# Altium PCB PDB_Mother_v1.1_PCB.PcbDoc (part 1 of 3)
Units mil, origin at the board's own origin, x right, y up, seen from the top; angles counter-clockwise.
Board outline 9606.3 x 3228.35 mil, 4 copper layers (Top Layer, GND, POWER, Bottom Layer), stack 23.756 mil thick; 314 components, 233 nets, 1042 pads, 279 vias.
Unrouted connection lines stored in the file: 171.
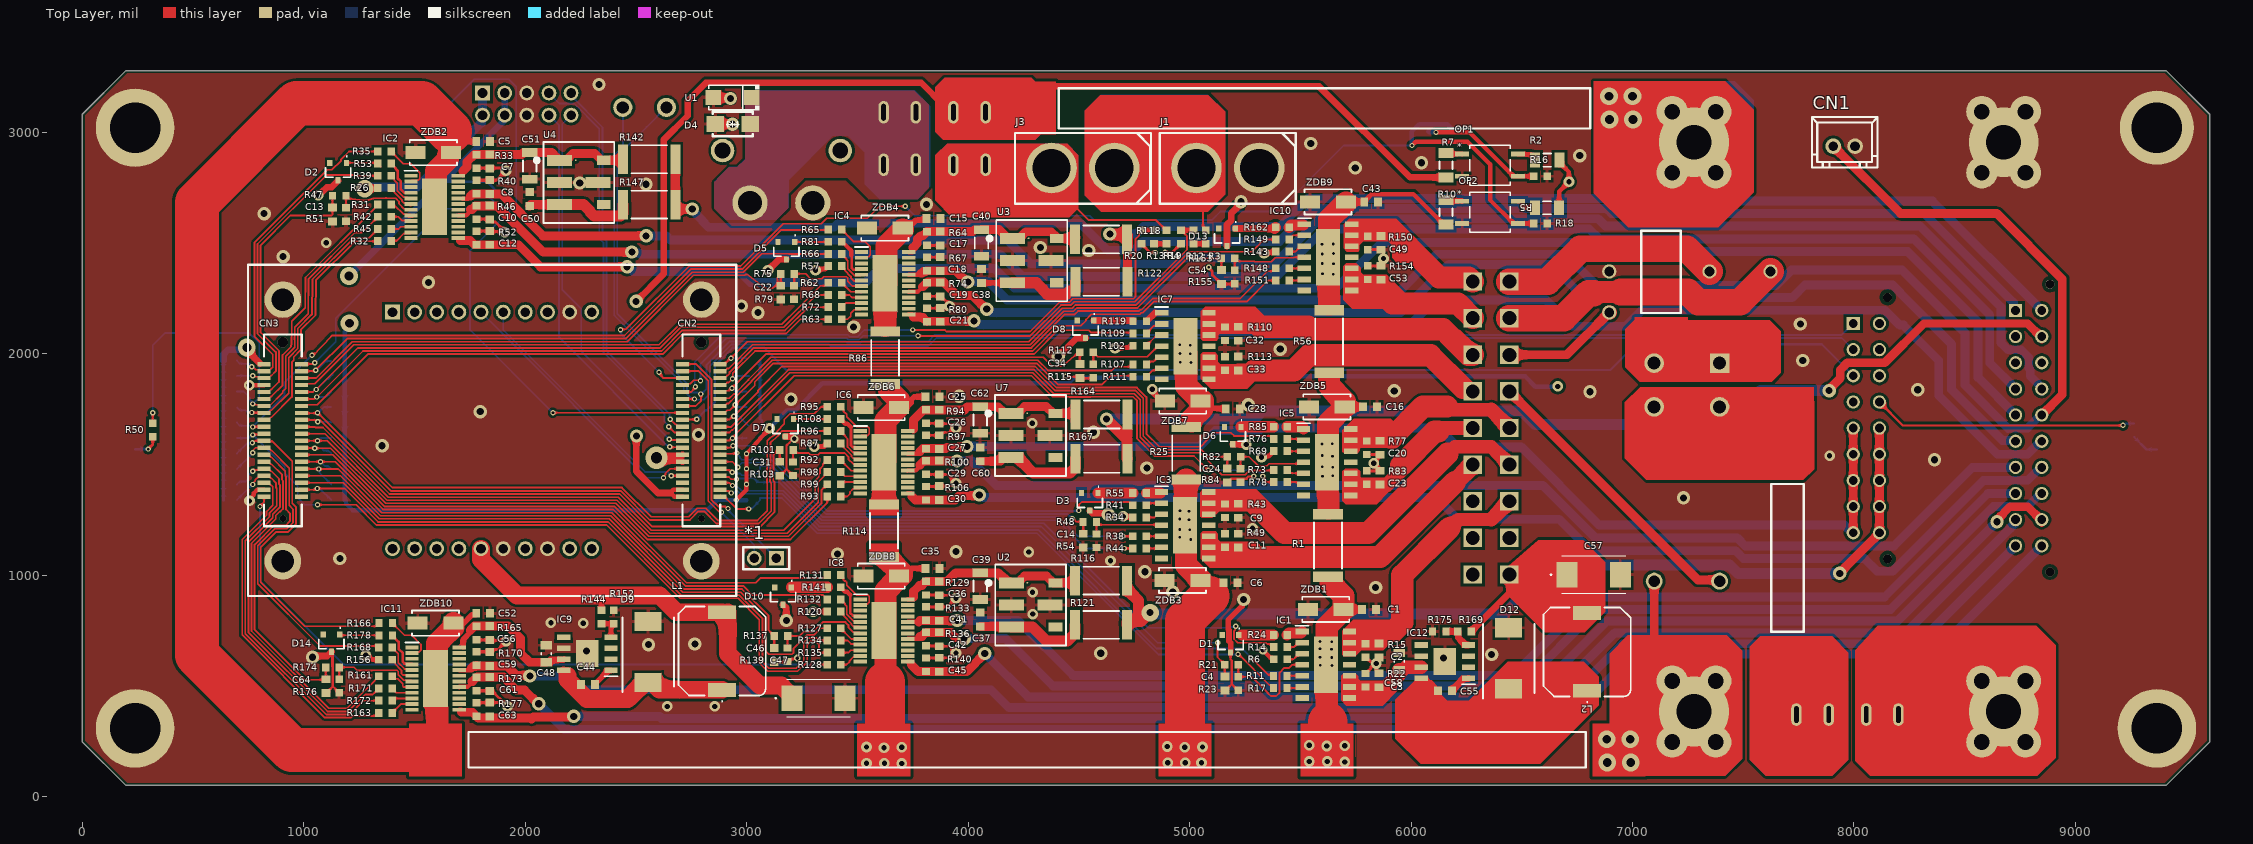
[diagram p0: Top Layer view]
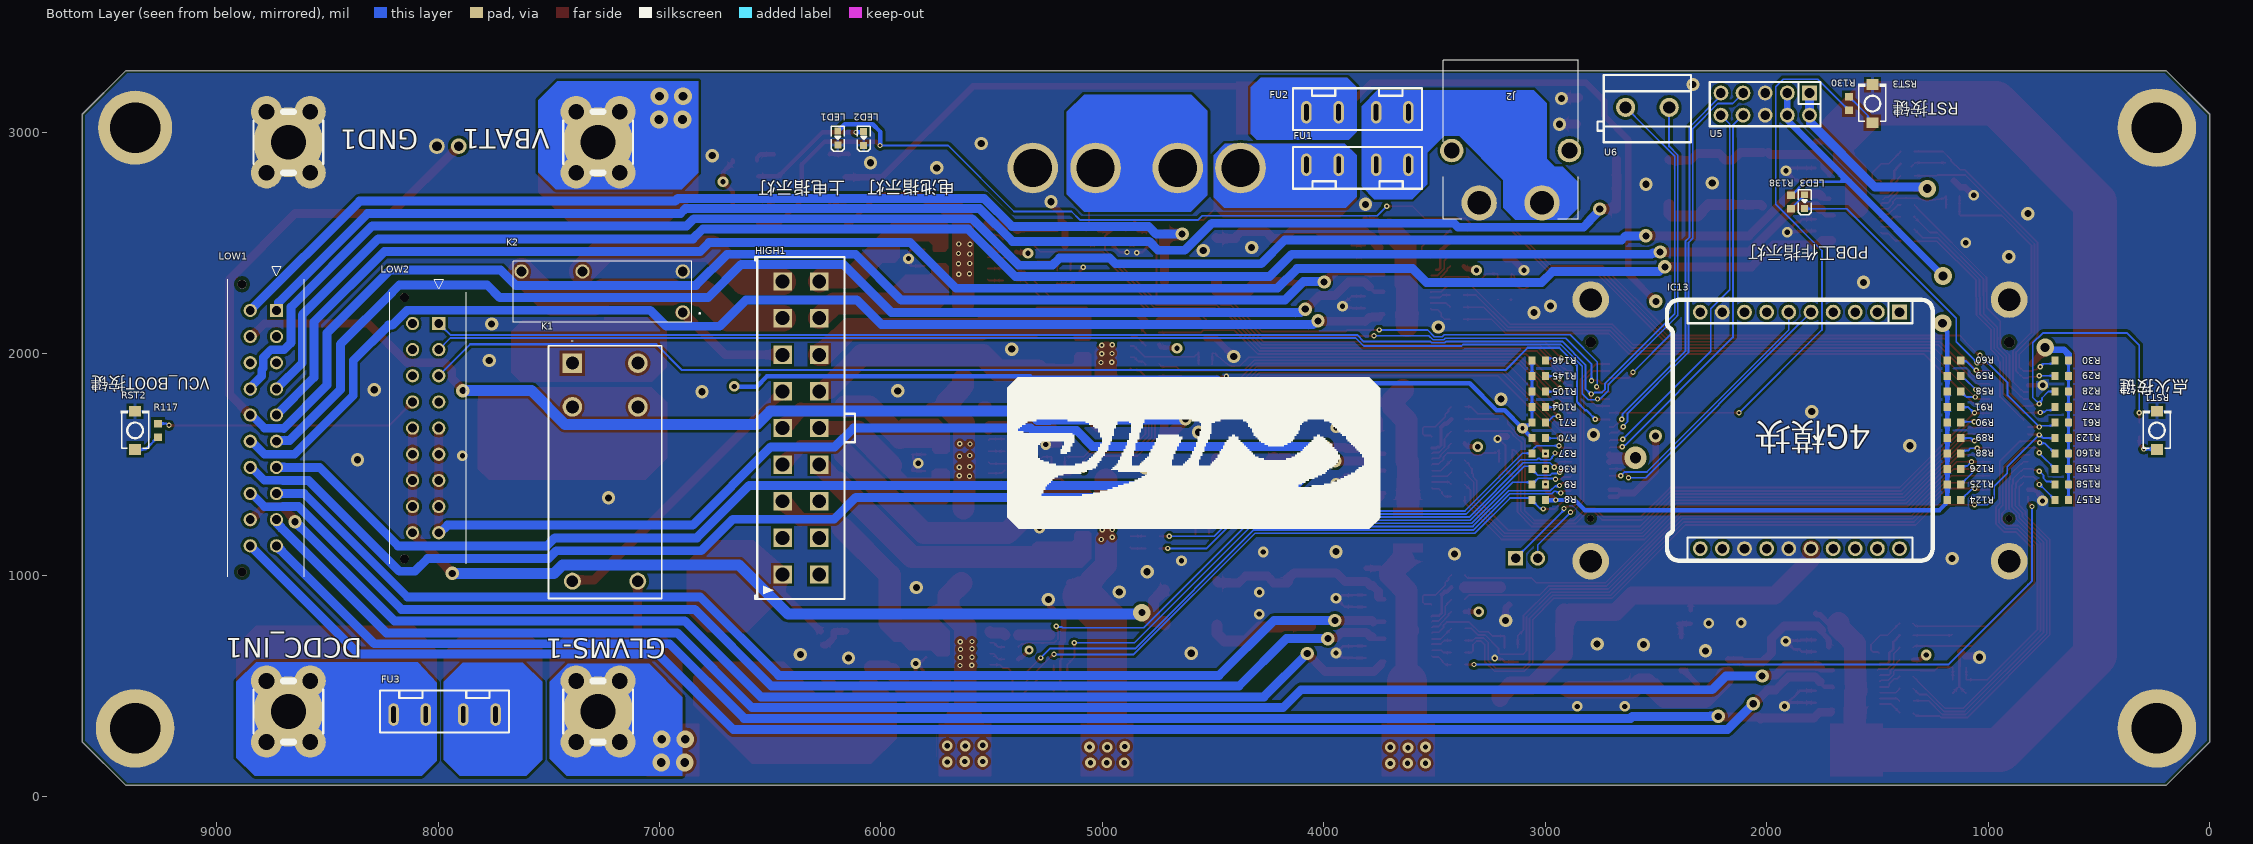
[diagram p1: Bottom Layer view, seen from below]
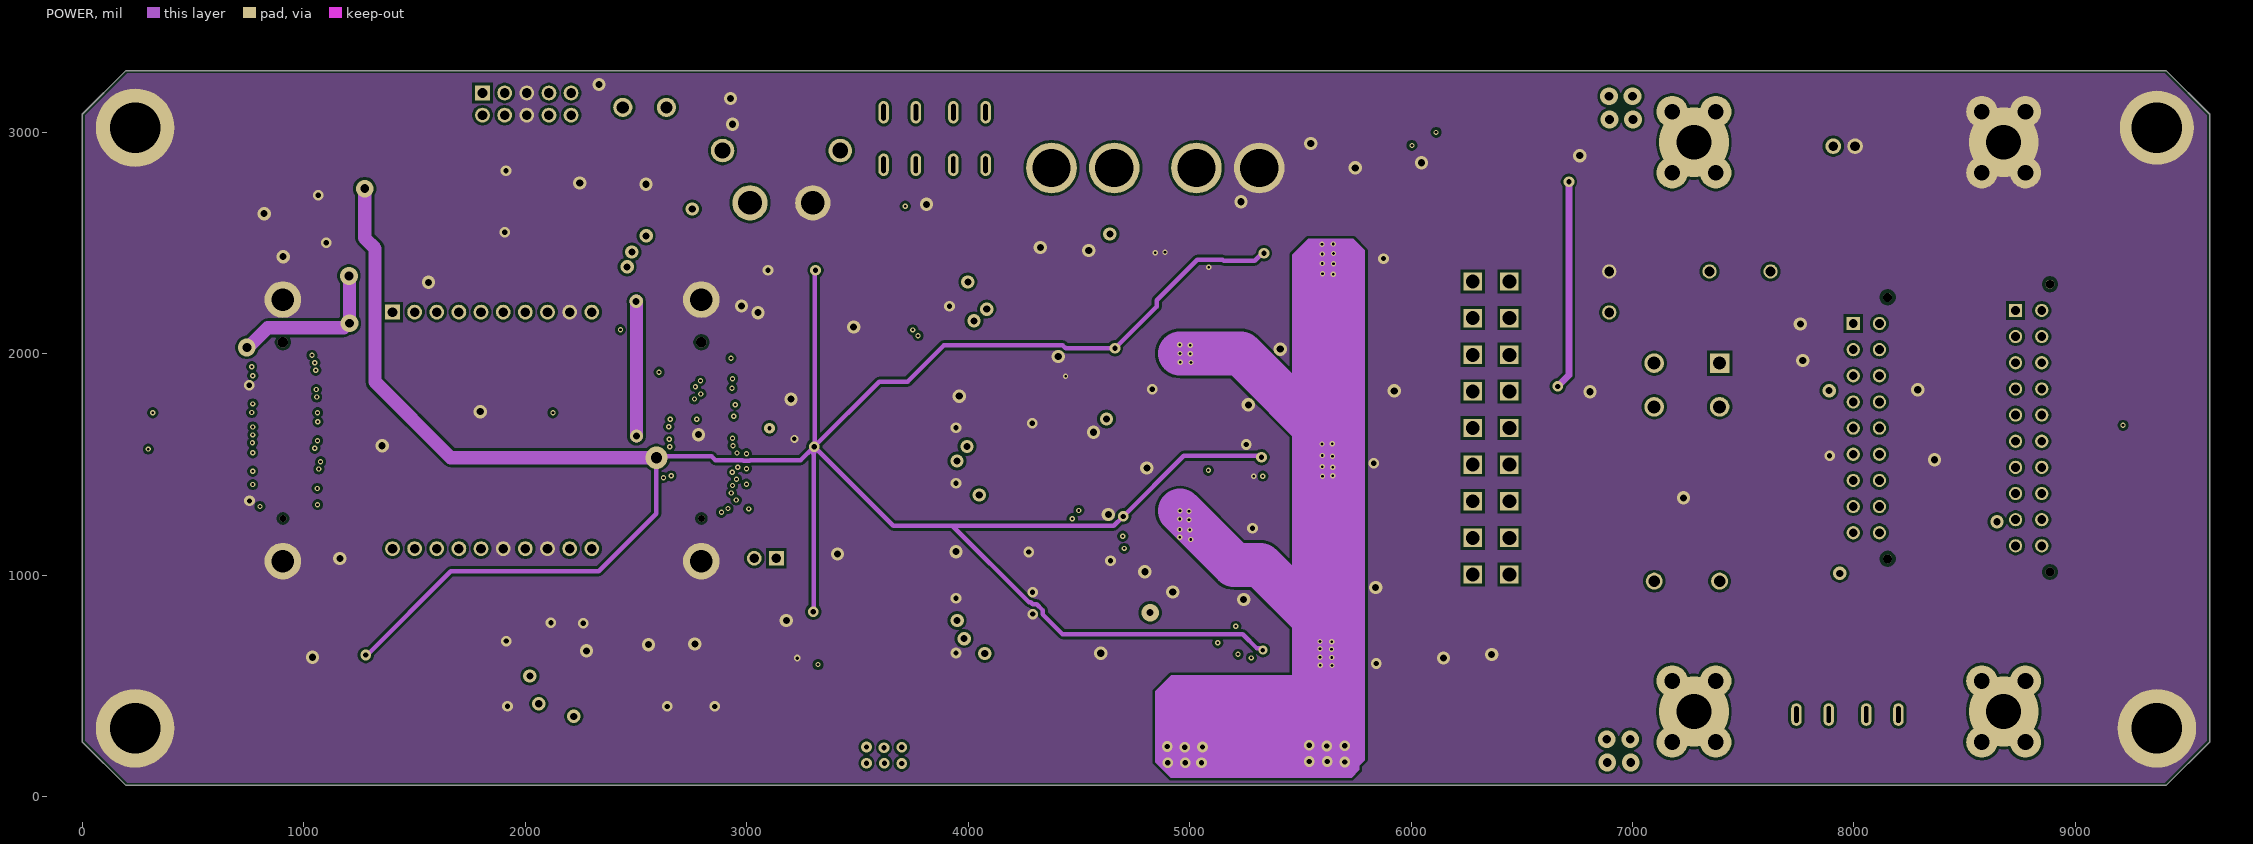
[diagram p2: POWER]
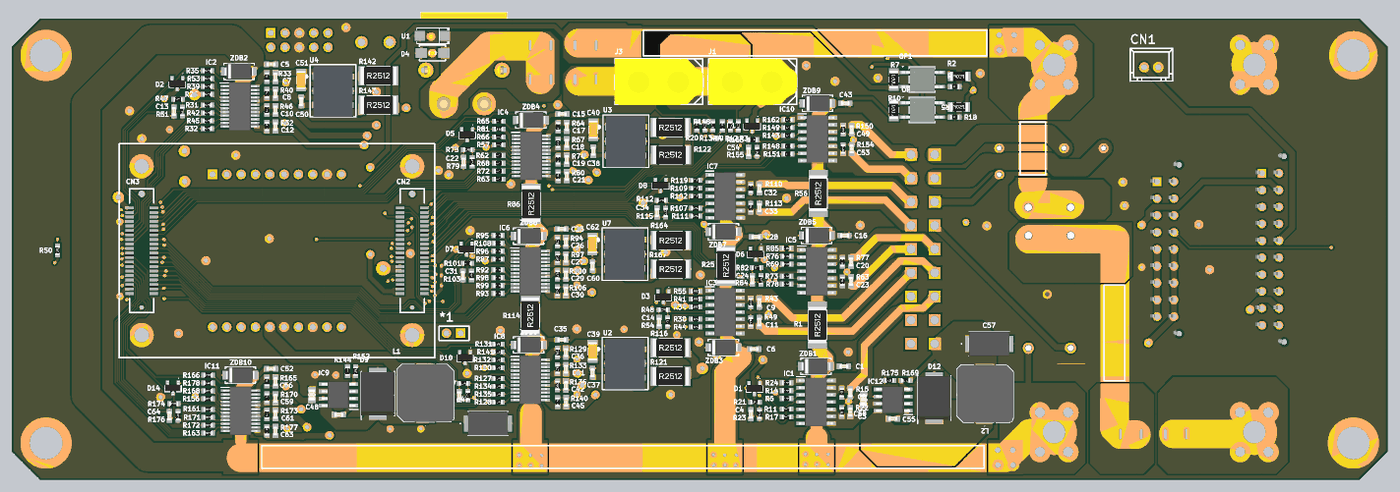
[diagram p5: 3D render of the assembled board from above, using the file's embedded part models]
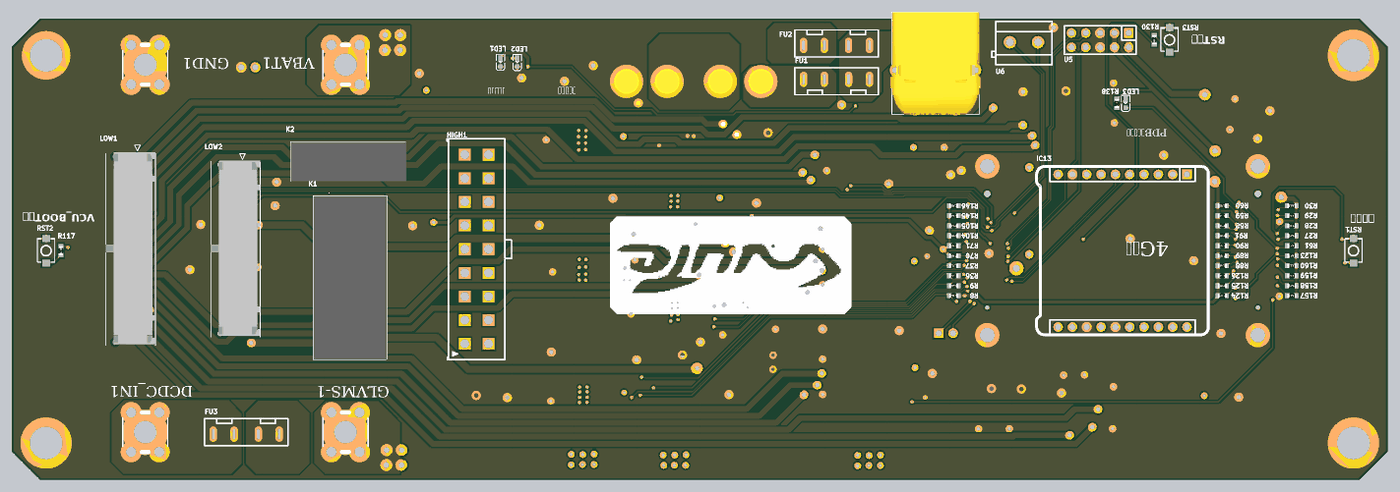
[diagram p6: 3D render of the assembled board from below, using the file's embedded part models]

## Layer stack, top to bottom
Top Solder: solder mask 0.4, Solder Resist, Dk 3.5
Top Layer: signal copper 1.4
Dielectric 2: prepreg 2.8, PP-006, Dk 4.1
GND: signal copper 1.378
Dielectric 1: dielectric 12.6, FR-4, Dk 4.8
POWER: signal copper 1.378
Dielectric 3: prepreg 2.8, PP-006, Dk 4.1
Bottom Layer: signal copper 1.4
Bottom Solder: solder mask 0.4, Solder Resist, Dk 3.5

## Board outline
0,246.85 0,3081.5 196.85,3278.35 9409.45,3278.35 9606.3,3081.5 9606.3,246.85 9409.45,50 196.85,50

## Design rules (kind name [scope] priority, off if disabled: settings)
AcuteAngle [All] p1: minimum=3.00000000000000E+0001 checktracksonly=TRUE
AssemblyTestPointUsage [All] p1 off:
AssemblyTestpoint [All] p1 off: testpointundercomponent=TRUE minsize=40 maxsize=100 preferedsize=60 minholesize=0 maxholesize=40 preferedholesize=32 testpointgrid=1 usegrid=TRUE gridtolerance=0.01 allowsidetop=TRUE allowsidebottom=TRUE
BoardOutlineClearance [All] p1: gap=11.81 ignorepadtopadclearanceinfootprint=FALSE
Clearance ClearanceOvRide [InComponentClass('NetTie') vs InComponentClass('NetTie')] p1: gap=12 ignorepadtopadclearanceinfootprint=TRUE except(6: Arc-Arc Arc-Track Arc-SMDPad Track-Track Track-SMDPad SMDPad-SMDPad; 10: Arc-THPad Arc-Via Track-THPad Track-Via SMDPad-THPad SMDPad-Via THPad-THPad THPad-Via Via-Via)
Clearance KeepoutOvRide [IsKeepOut vs InComponentClass('Opto')] p2: gap=0 ignorepadtopadclearanceinfootprint=FALSE
Clearance UnplatedHoleClearanceOvRide [(HoleDiameter > 0) And (PadIsPlated = 'False') AND (HoleDiameter >= PadYSize_AllLayers)] p3: gap=11.81 ignorepadtopadclearanceinfootprint=FALSE except(15.75: Arc-Hole Track-Hole SMDPad-Hole THPad-Hole Via-Hole Fill-Hole Poly-Hole Region-Hole Text-Hole)
Clearance IPC,500V,Polymer,uncoatedLead [InNetClass('450vNet')] p4: gap=59.06 ignorepadtopadclearanceinfootprint=FALSE except(11.81: Arc-Hole Track-Hole SMDPad-Hole THPad-Hole Via-Hole Fill-Hole Poly-Hole Region-Hole Text-Hole; 39.37: Arc-Arc Arc-Track Track-Track)
Clearance PowerTrace25mil [(InNetClass('PowerNet'))] p5: gap=25 ignorepadtopadclearanceinfootprint=FALSE except(6: Arc-Arc Arc-Track Arc-SMDPad Track-Track Track-SMDPad SMDPad-SMDPad; 10: Arc-THPad Arc-Via Track-THPad Track-Via SMDPad-THPad SMDPad-Via THPad-THPad THPad-Via Via-Via; 12: Arc-Text Arc-Hole Track-Text Track-Hole SMDPad-Text SMDPad-Hole THPad-Text THPad-Hole Via-Text Via-Hole Fill-Text Fill-Hole Poly-Text Poly-Hole Region-Text Region-Hole Text-Text Text-Hole)
Clearance 450V_Clearance [InNetClass('450vNet')] p6 off: gap=125.98 ignorepadtopadclearanceinfootprint=TRUE
Clearance [All] p7: gap=12 ignorepadtopadclearanceinfootprint=FALSE except(6: Arc-Arc Arc-Track Arc-SMDPad Track-Track Track-SMDPad SMDPad-SMDPad; 10: Arc-THPad Arc-Via Track-THPad Track-Via SMDPad-THPad SMDPad-Via THPad-THPad THPad-Via Via-Via)
ComponentClearance ComponentOvRide [IsNetTieComponent] p1: gap=0 collisioncheckmode=3 verticalgap=10 showdistances=FALSE
ComponentClearance "450V clearance" [InComponentClass('450vPart')] p2: gap=59.06 collisioncheckmode=3 verticalgap=100000 showdistances=FALSE
ComponentClearance [All] p3 off: gap=12 collisioncheckmode=3 verticalgap=10 showdistances=FALSE
Creepage CreepageOvRide [InComponentClass('NetTie') vs InComponentClass('NetTie')] p1: checkdistance=0.01
Creepage 450V_Creepage [InNetClass('450vNet') vs InNetClass('All Nets')] p2 off: checkdistance=181.1 ignoreinternallayers=FALSE
Creepage [All] p3: checkdistance=5.12
FabricationTestPointUsage [All] p1 off: valid=0 allowmultiple=FALSE
FabricationTestpoint [All] p1 off: side=3 testpointundercomponent=TRUE minsize=40 maxsize=100 preferedsize=60 minholesize=0 maxholesize=40 preferedholesize=32 testpointgrid=1 allowsidetop=TRUE allowsidebottom=TRUE usegrid=TRUE gridtolerance=0.01
Height [All] p1: minheight=0 maxheight=1574.8 prefheight=500
HoleSize HoleSizeOvRide [(HoleDiameter > 0) And (PadIsPlated = 'False') AND (HoleDiameter >= PadYSize_AllLayers)] p1: absolutevalues=TRUE maxlimit=39330.71 minlimit=7.87 maxpercent=80.000 minpercent=20.000
HoleSize [All] p2: absolutevalues=TRUE maxlimit=236.22 minlimit=7.87 maxpercent=80.000 minpercent=20.000
HoleToHoleClearance SlotOvRide [All vs (HoleDiameter > 0) And (PadIsPlated = 'False') AND (HoleDiameter >= PadYSize_AllLayers)] p1: gap=0 allowstackedmicrovias=TRUE
HoleToHoleClearance [All] p2: gap=10 allowstackedmicrovias=TRUE
MinimumAnnularRing PadMinimumAnnularRing [NOT IsVia] p1: minimumring=8
MinimumAnnularRing ViaAnnularRing [All] p2: minimumring=3.94
MinimumSolderMaskSliver [All] p1: minsoldermaskwidth=3
PolygonConnect PolygonConnect_6 [All vs IsNamedPolygon('NONET_L-01_P-001')] p1: thpad.connectstyle=Direct thpad.reliefconductorwidth=10 thpad.reliefentries=4 thpad.polygonreliefangle="90 Angle" thpad.airgapwidth=10 smdpad.connectstyle=Relief smdpad.reliefconductorwidth=10 smdpad.reliefentries=4 smdpad.polygonreliefangle="90 Angle" smdpad.airgapwidth=10 via.connectstyle=Direct via.reliefconductorwidth=10 via.reliefentries=4 via.polygonreliefangle="90 Angle" via.airgapwidth=10
PolygonConnect PolygonConnect_5 [All vs IsNamedPolygon('NONET_L-01_P-005')] p2: connectstyle=Direct reliefconductorwidth=10 reliefentries=4 polygonreliefangle="90 Angle" airgapwidth=10
PolygonConnect PolygonConnect_4 [All vs IsNamedPolygon('NONET_L-01_P-004')] p3: thpad.connectstyle=Direct thpad.reliefconductorwidth=10 thpad.reliefentries=4 thpad.polygonreliefangle="90 Angle" thpad.airgapwidth=10 smdpad.connectstyle=Relief smdpad.reliefconductorwidth=15 smdpad.reliefentries=4 smdpad.polygonreliefangle="90 Angle" smdpad.airgapwidth=10 via.connectstyle=Direct via.reliefconductorwidth=10 via.reliefentries=4 via.polygonreliefangle="90 Angle" via.airgapwidth=10
PolygonConnect PolygonConnect_3 [All vs IsNamedPolygon('NONET_L-01_P-003')] p4: thpad.connectstyle=Direct thpad.reliefconductorwidth=10 thpad.reliefentries=4 thpad.polygonreliefangle="90 Angle" thpad.airgapwidth=10 smdpad.connectstyle=Relief smdpad.reliefconductorwidth=15 smdpad.reliefentries=4 smdpad.polygonreliefangle="90 Angle" smdpad.airgapwidth=10 via.connectstyle=Direct via.reliefconductorwidth=10 via.reliefentries=4 via.polygonreliefangle="90 Angle" via.airgapwidth=10
PolygonConnect PolygonConnect_2 [All vs IsNamedPolygon('NONET_L-01_P-002')] p5: thpad.connectstyle=Direct thpad.reliefconductorwidth=10 thpad.reliefentries=4 thpad.polygonreliefangle="90 Angle" thpad.airgapwidth=10 smdpad.connectstyle=Relief smdpad.reliefconductorwidth=15 smdpad.reliefentries=4 smdpad.polygonreliefangle="90 Angle" smdpad.airgapwidth=10 via.connectstyle=Direct via.reliefconductorwidth=10 via.reliefentries=4 via.polygonreliefangle="90 Angle" via.airgapwidth=10
PolygonConnect PolygonConnect_1 [All vs IsNamedPolygon('NONET_L-01_P-001')] p6: connectstyle=Direct reliefconductorwidth=10 reliefentries=4 polygonreliefangle="90 Angle" airgapwidth=10
PolygonConnect [All] p7: connectstyle=Relief reliefconductorwidth=15 reliefentries=4 polygonreliefangle="90 Angle" airgapwidth=10
RoutingVias [All] p1: holewidth=11.81 width=787.4 viastyle="Through Hole" minholewidth=7.48 minwidth=15 maxholewidth=78.74 maxwidth=120
SMDEntry [All] p1 off: side=TRUE corner=TRUE anyangle=FALSE
SMDToCorner [All] p1 off: distance=30000
SMDToPlane [All] p1: distance=999990000
ShortCircuit ShortCircuitOvRide [InComponentClass('NetTie') OR((HoleDiameter > 0) And (PadIsPlated = 'False') AND (HoleDiameter >= PadYSize_AllLayers)) vs InComponentClass('NetTie') OR ((HoleDiameter > 0) And (PadIsPlated = 'False') AND (HoleDiameter >= PadYSize_AllLayers))] p1: allowed=TRUE
ShortCircuit [All] p2: allowed=FALSE
SilkToSilkClearance [All] p1: silktosilkclearance=0
SilkToSolderMaskClearance [IsPad] p1: minsilkscreentomaskgap=0 clearancetoexposedcopper=TRUE
SolderMaskExpansion [All] p1: expansion=2 istentingtop=FALSE
UnRoutedNet [All] p1: checkbadconnections=TRUE
Width [All] p1: maxlimit=200 minlimit=6 preferedwidth=10
17 further rules are at their usual default settings.

## Components (designator, comment, footprint, x,y, rotation, side; value= is the part's Value field where it differs from the comment)
*1 "abc" ABC 3134,1076 r180 top
C1 "100nF" CAPC1608X08N__0603CAPUNPOLE 5810,845 r0 top
C2 "10nF" CAPC1608X08N__0603CAPUNPOLE 5855,660 r90 top
C3 "10nF" CAPC1608X08N__0603CAPUNPOLE 5855,525 r270 top
C4 "100pF" CAPC1608X08N__0603CAPUNPOLE 5160,510 r90 top
C5 "100nF" CAPC1608X08N__0603CAPUNPOLE 1810,2958 r0 top
C6 "100nF" CAPC1608X08N__0603CAPUNPOLE 5184.21,965.51 r0 top
C7 "10nF" CAPC1608X08N__0603CAPUNPOLE 1840,2868 r90 top
C8 "10nF" CAPC1608X08N__0603CAPUNPOLE 1840,2753 r270 top
C9 "10nF" CAPC1608X08N__0603CAPUNPOLE 5219.21,1290.51 r90 top
C10 "10nF" CAPC1608X08N__0603CAPUNPOLE 1840,2638 r90 top
C11 "10nF" CAPC1608X08N__0603CAPUNPOLE 5219.21,1155.51 r270 top
C12 "10nF" CAPC1608X08N__0603CAPUNPOLE 1840,2523 r270 top
C13 "100pF" CAPC1608X08N__0603CAPUNPOLE 1130,2628 r90 top
C14 "100pF" CAPC1608X08N__0603CAPUNPOLE 4519.21,1155.51 r90 top
C15 "100nF" CAPC1608X08N__0603CAPUNPOLE 3844.21,2610.28 r0 top
C16 "100nF" CAPC1608X08N__0603CAPUNPOLE 5815,1760 r0 top
C17 "10nF" CAPC1608X08N__0603CAPUNPOLE 3874.21,2520.28 r90 top
C18 "10nF" CAPC1608X08N__0603CAPUNPOLE 3874.21,2405.28 r270 top
C19 "10nF" CAPC1608X08N__0603CAPUNPOLE 3874.21,2290.28 r90 top
C20 "10nF" CAPC1608X08N__0603CAPUNPOLE 5860,1575 r90 top
C21 "10nF" CAPC1608X08N__0603CAPUNPOLE 3874.21,2175.28 r270 top
C22 "100pF" CAPC1608X08N__0603CAPUNPOLE 3154.21,2275.28 r90 top
C23 "10nF" CAPC1608X08N__0603CAPUNPOLE 5860,1440 r270 top
C24 "100pF" CAPC1608X08N__0603CAPUNPOLE 5170,1449.49 r90 top
C25 "100nF" CAPC1608X08N__0603CAPUNPOLE 3839.21,1805.28 r0 top
C26 "10nF" CAPC1608X08N__0603CAPUNPOLE 3869.21,1715.28 r90 top
C27 "10nF" CAPC1608X08N__0603CAPUNPOLE 3869.21,1600.28 r270 top
C28 "100nF" CAPC1608X08N__0603CAPUNPOLE 5195,1750 r0 top
C29 "10nF" CAPC1608X08N__0603CAPUNPOLE 3869.21,1485.28 r90 top
C30 "10nF" CAPC1608X08N__0603CAPUNPOLE 3869.21,1370.28 r270 top
C31 "100pF" CAPC1608X08N__0603CAPUNPOLE 3149.21,1480.28 r90 top
C32 "10nF" CAPC1608X08N__0603CAPUNPOLE 5220,2090 r90 top
C33 "10nF" CAPC1608X08N__0603CAPUNPOLE 5220,1955 r270 top
C34 "100pF" CAPC1608X08N__0603CAPUNPOLE 4505,1921 r90 top
C35 "100nF" CAPC1608X08N__0603CAPUNPOLE 3839.21,1030.28 r0 top
C36 "10nF" CAPC1608X08N__0603CAPUNPOLE 3869.21,940.28 r90 top
C37 "22uF\10V" CAPC1608X08N__0603CAPUNPOLE 4055,800 r270 top
C38 "22uF\10V" CAPC1608X08N__0603CAPUNPOLE 4060,2350 r270 top
C39 "10uF 50V" CAPC3216X16N_1206CAPUNPOLE 4055,950 r90 top
C40 "10uF 50V" CAPC3216X16N_1206CAPUNPOLE 4060,2500.04 r90 top
C41 "10nF" CAPC1608X08N__0603CAPUNPOLE 3869.21,825.28 r270 top
C42 "10nF" CAPC1608X08N__0603CAPUNPOLE 3869.21,710.28 r90 top
C43 "100nF" CAPC1608X08N__0603CAPUNPOLE 5820,2685 r0 top
C44 "10nF" CAPC1608X08N__0603CAPUNPOLE 2283,506 r180 top
C45 "10nF" CAPC1608X08N__0603CAPUNPOLE 3870,595 r270 top
C46 "100pF" CAPC1608X08N__0603CAPUNPOLE 3124.21,638.78 r90 top
C47 "10TPB330M" POSCAP_D12_D15_D15E_D2E_D2_D3L_D4 3324,444 r0 top
C48 "22uF" CAPC2012X06N__0805CAPUNPOLE 2095,645 r270 top
C49 "10nF" CAPC1608X08N__0603CAPUNPOLE 5864.21,2500.51 r90 top
C50 "22uF\10V" CAPC1608X08N__0603CAPUNPOLE 2020,2698 r270 top
C51 "10uF 50V" CAPC3216X16N_1206CAPUNPOLE 2020,2848 r90 top
C52 "100nF" CAPC1608X08N__0603CAPUNPOLE 1810,828 r0 top
C53 "10nF" CAPC1608X08N__0603CAPUNPOLE 5864.21,2365.51 r270 top
C54 "100pF" CAPC1608X08N__0603CAPUNPOLE 5144.21,2345.51 r90 top
C55 "10nF" CAPC1608X08N__0603CAPUNPOLE 6153,478 r180 top
C56 "10nF" CAPC1608X08N__0603CAPUNPOLE 1840,738 r90 top
C57 "10TPB330M" POSCAP_D12_D15_D15E_D2E_D2_D3L_D4 6825,1002 r0 top
C58 "22uF" CAPC2012X06N__0805CAPUNPOLE 5947,610 r270 top
C59 "10nF" CAPC1608X08N__0603CAPUNPOLE 1840,621.5 r270 top
C60 "22uF\10V" CAPC1608X08N__0603CAPUNPOLE 4054.21,1545.28 r270 top
C61 "10nF" CAPC1608X08N__0603CAPUNPOLE 1840,508 r90 top
C62 "10uF 50V" CAPC3216X16N_1206CAPUNPOLE 4054.21,1700.28 r90 top
C63 "10nF" CAPC1608X08N__0603CAPUNPOLE 1840,393 r270 top
C64 "100pF" CAPC1608X08N__0603CAPUNPOLE 1100,498.51 r90 top
CN1 "XH-2A" CONN-TH_XH-2A 7955.67,2936.97 r0 top
CN2 "BTB_0.8mm_40Pin_Mother" BTB_0.8mm_40PIN_M 2795.28,1653.54 r0 top
CN3 "BTB_0.8mm_40Pin_Mother" BTB_0.8mm_40PIN_M 905.51,1653.54 r0 top
D1 "BAS21,215" BAS21215 5185,690 r180 top
D2 "BAS21,215" BAS21215 1155,2822.37 r180 top
D3 "BAS21,215" BAS21215 4549.21,1330.51 r180 top
D4 "SMAJ28CA_C353457" SMA_L4.3-W2.5-LS5.0-BI 2937,3037 r180 top
D5 "BAS21,215" BAS21215 3179.21,2465.28 r180 top
D6 "BAS21,215" BAS21215 5195,1630 r180 top
D7 "BAS21,215" BAS21215 3174.21,1665.28 r180 top
D8 "BAS21,215" BAS21215 4530,2110 r180 top
D9 "B540C-13-F" DIOM7959X250N 2555,653 r90 top
D10 "BAS21,215" BAS21215 3164.21,905.28 r180 top
D12 "B540C-13-F" DIOM7959X250N 6441,624.2 r90 top
D13 "BAS21,215" BAS21215 5169.21,2525.51 r180 top
D14 "BAS21,215" BAS21215 1125,693 r180 top
DCDC_IN1 "Bolt_Connecter" BOLT_CONNECTER 8676,384 r270 bottom
FU1 "XF-506P" XF-506P 4078.67,2852.98 r180 bottom
FU2 "XF-506P" XF-506P 3618.33,3090.02 r0 bottom
FU3 "XF-506P" XF-506P 7740.33,370.22 r0 bottom
GLVMS-1 "Bolt_Connecter" BOLT_CONNECTER 7277.43,384 r90 bottom
GND1 "Bolt_Connecter" BOLT_CONNECTER 8676,2954.8 r90 bottom
HIGH1 "5569_18pin直插" 5569_18PIN 6361.32,1664.17 r270 bottom
IC1 "BTT60502ERAXUMA1" PG-TDSO-14 5615,595 r0 top
IC2 "BTT62004ESAXUMA1" PG-TSDSO-24 1590.79,2662.72 r0 top
IC3 "BTT60502ERAXUMA1" PG-TDSO-14 4980,1225 r0 top
IC4 "BTT62004ESAXUMA1" PG-TSDSO-24 3624.77,2318.02 r0 top
IC5 "BTT60502ERAXUMA1" PG-TDSO-14 5620.79,1509.49 r0 top
IC6 "BTT62004ESAXUMA1" PG-TSDSO-24 3620,1510 r0 top
IC7 "BTT60502ERAXUMA1" PG-TDSO-14 4980.77,2034 r0 top
IC8 "BTT62004ESAXUMA1" PG-TSDSO-24 3620,750 r0 top
IC9 "TPS5450DDA" SOIC127P600X170-9N 2280.23,645 r180 top
IC10 "BTT60502ERAXUMA1" PG-TDSO-14 5625,2435 r0 top
IC11 "BTT62004ESAXUMA1" PG-TSDSO-24 1595.79,532.72 r0 top
IC12 "TPS5450DDA" SOIC127P600X170-9N 6152.77,609.2 r180 top
IC13 "EC800M_Core_Board" EC800M_CORE_BOARD 1850.39,1653.54 r270 bottom
J1 "XT60H" AMASS_XT60_NOMAL 5314.46,2838.44 r180 top
J2 "XT60PW-M" XT60PWM 3156.75,2680.78 r180 bottom
J3 "XT60H" AMASS_XT60_NOMAL 4660,2838.44 r180 top
K1 "HF14FW/024-HSTF" HF14FW005HPTF 7393.28,1956.85 r270 bottom
K2 "HF46F_024-HS1T" HF46F024HS1T 6895,2186 r0 bottom
L1 "YSPI1040TP-220M" SDRH104R3R3NT 2889,657 r0 top
L2 "YSPI1040TP-220M" SDRH104R3R3NT 6795,653 r0 top